# Altium PCB PCB四轴.PcbDoc
Units mil, origin at the board's own origin, x right, y up, seen from the top; angles counter-clockwise.
Board outline 2757.69 x 3039.64 mil, 2 copper layers (Top Layer, Bottom Layer); 82 components, 60 nets, 321 pads, 98 vias.
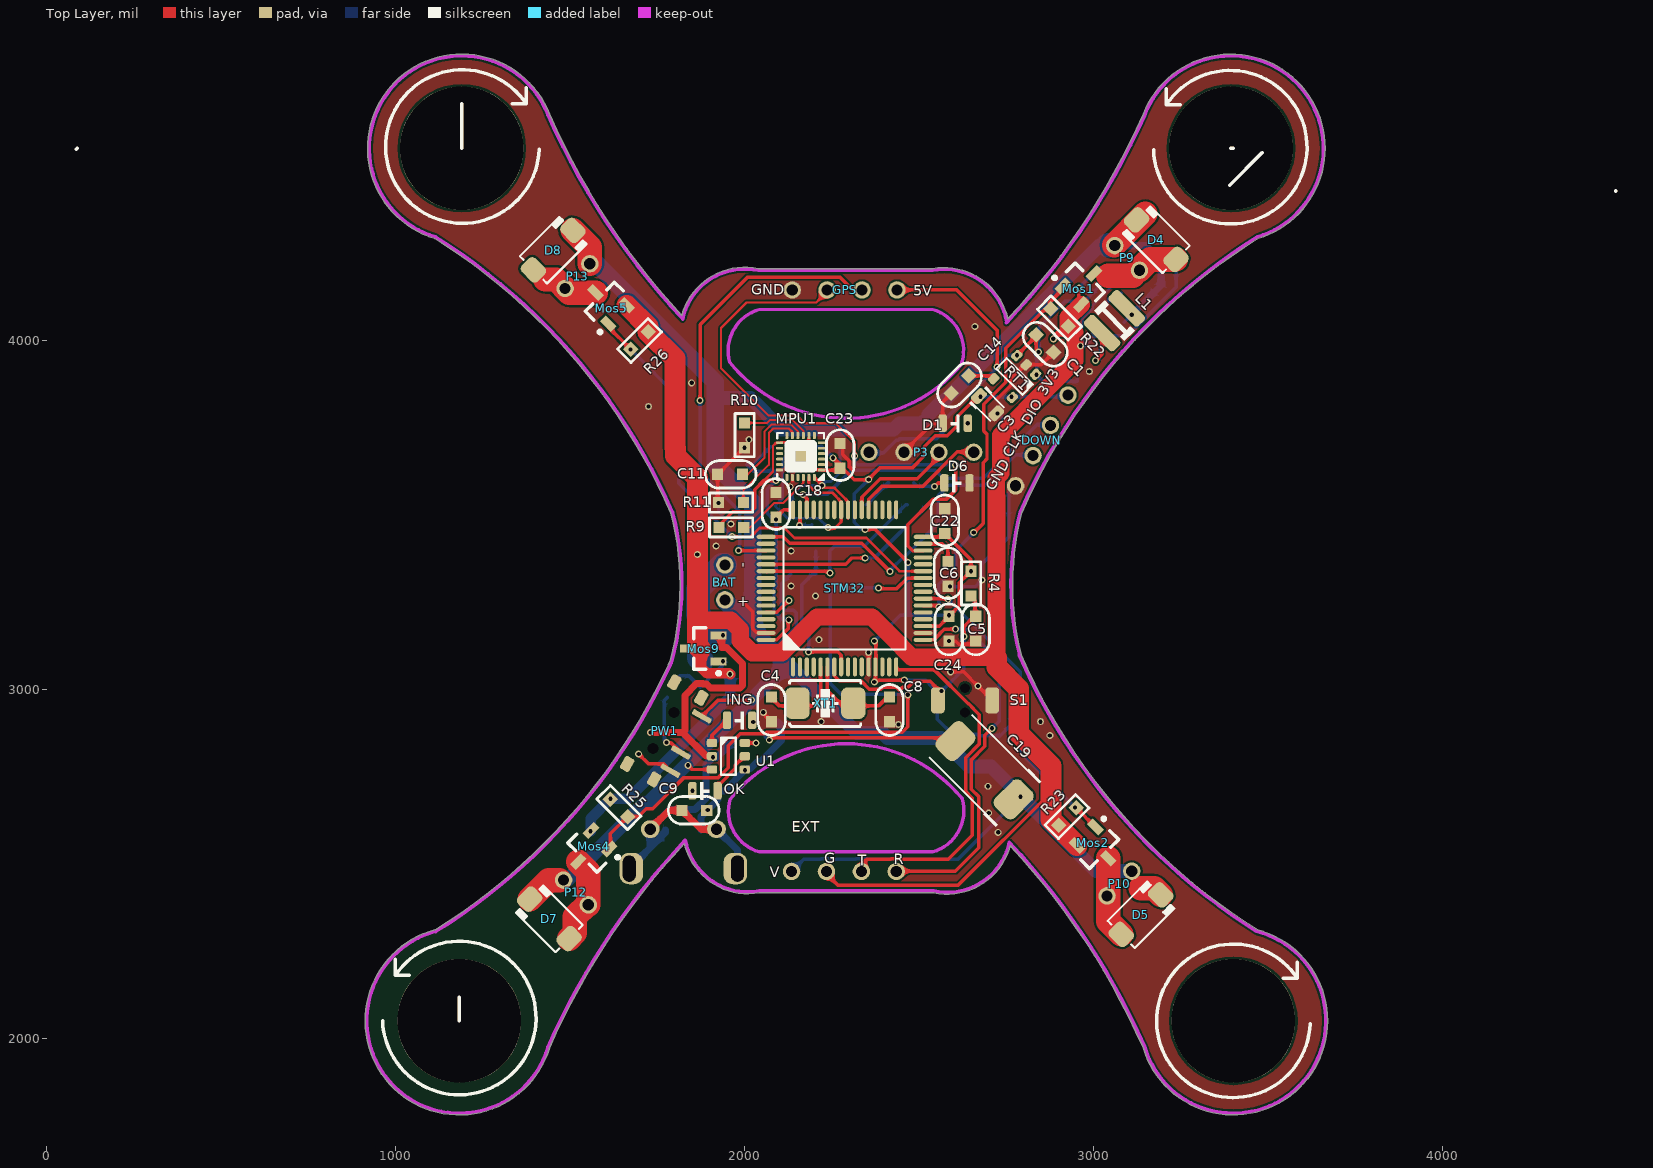
[diagram p0: Top Layer view]
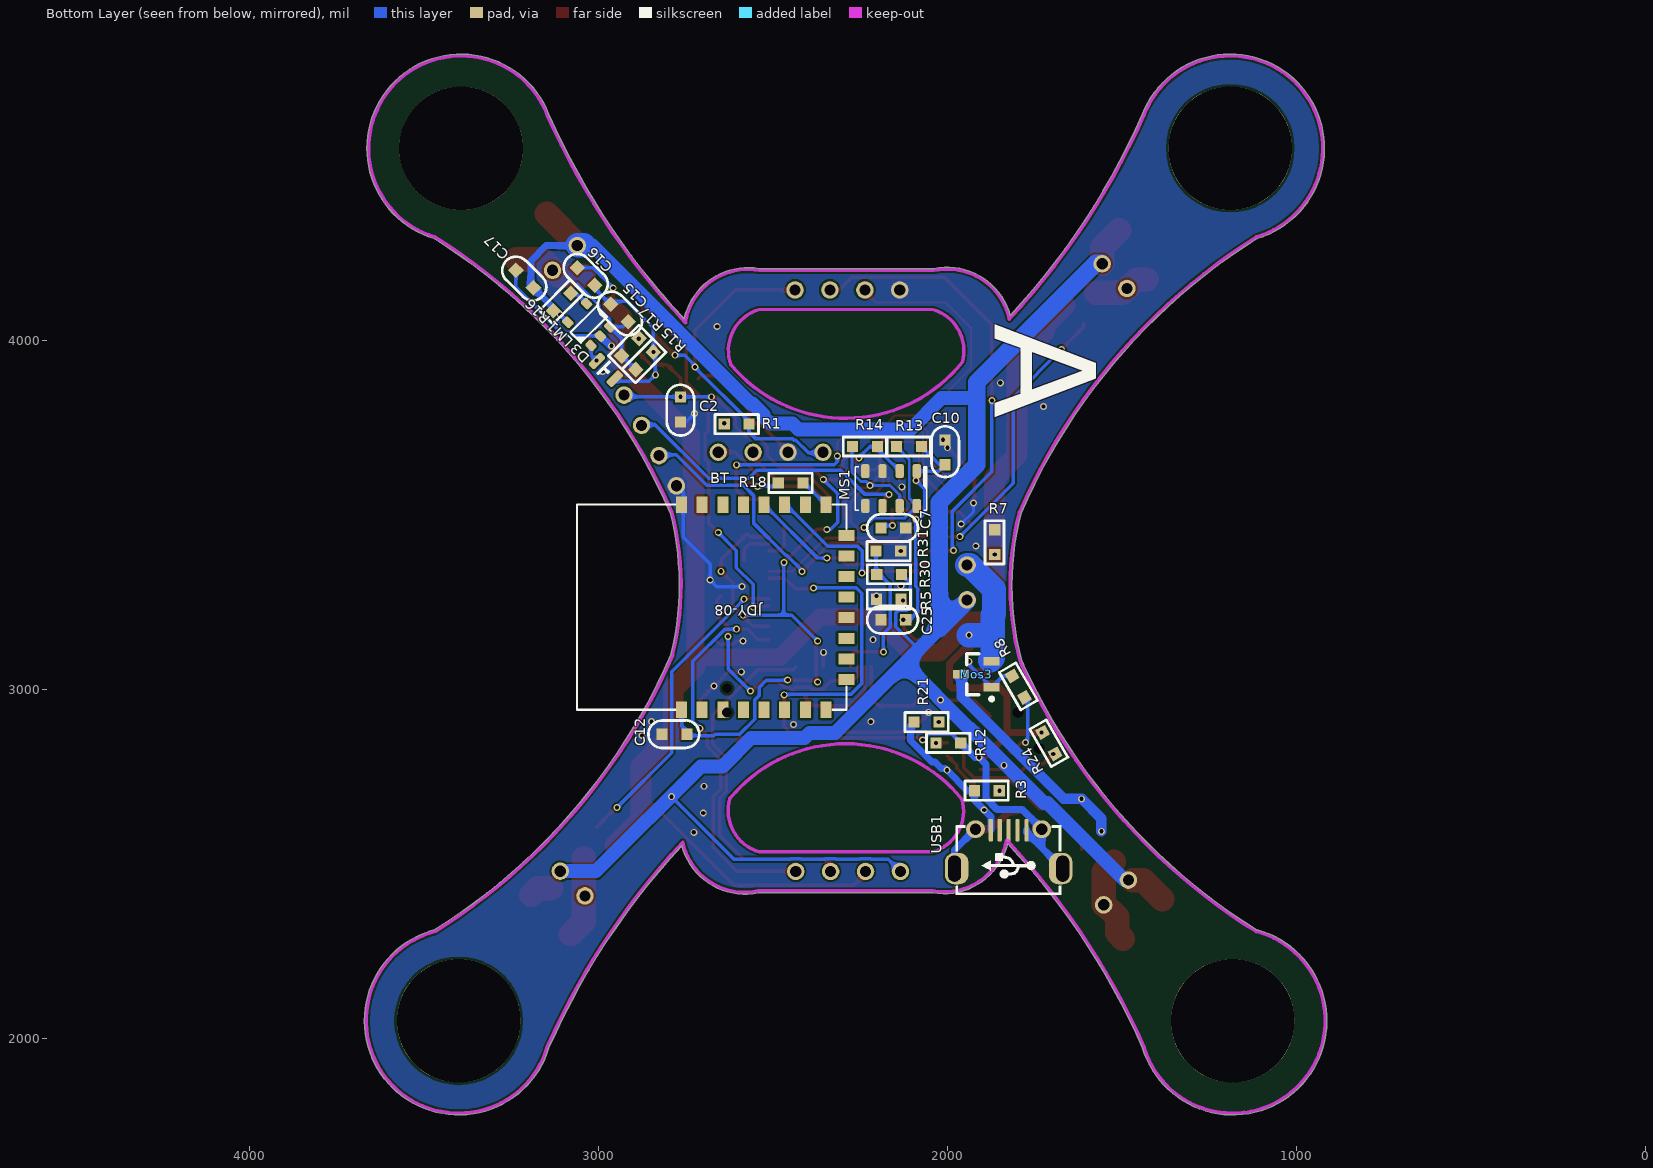
[diagram p1: Bottom Layer view, seen from below]
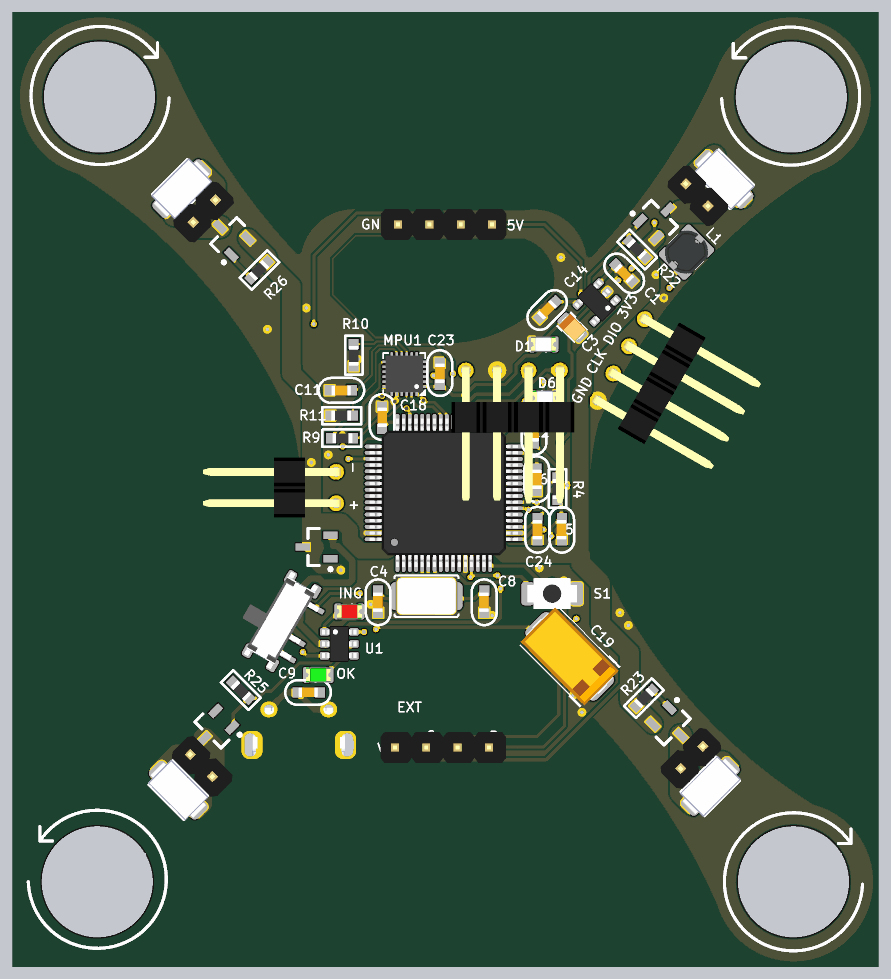
[diagram p2: 3D render of the assembled board from above, using the file's embedded part models]
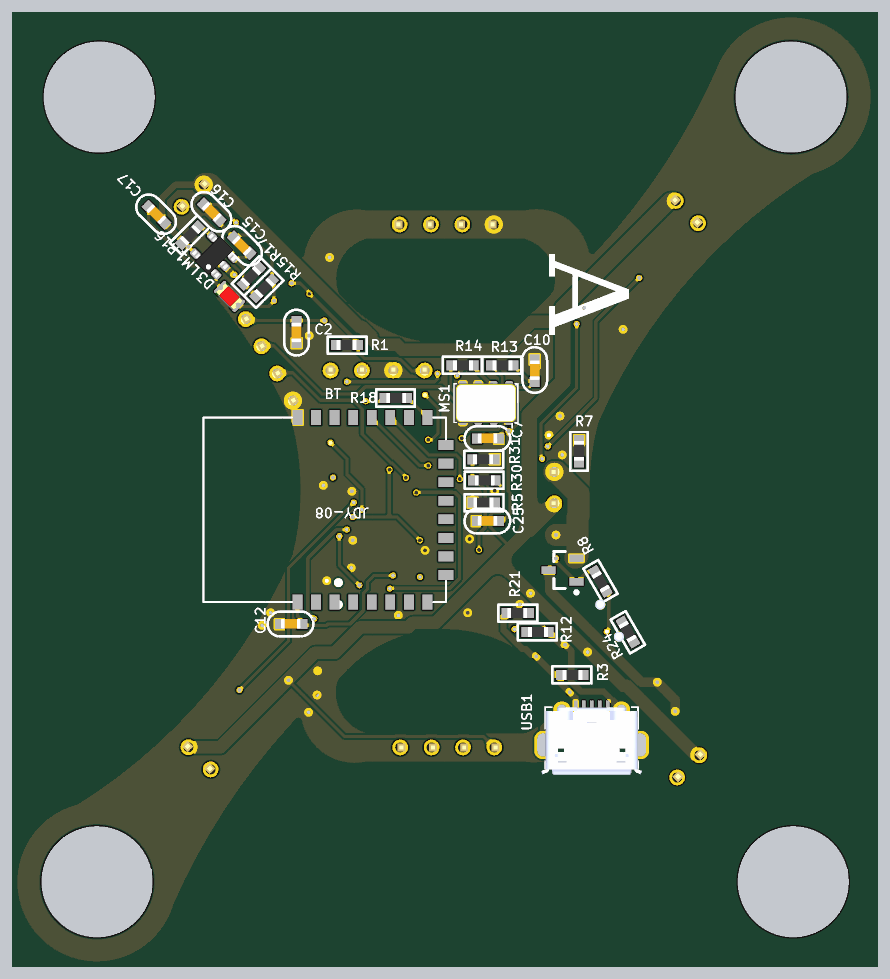
[diagram p3: 3D render of the assembled board from below, using the file's embedded part models]

## Layer stack, top to bottom
Top Solder: solder mask 0.4, Solder Resist, Dk 3.5
Top Layer: signal copper 1.4
Dielectric1: dielectric 12.6, FR-4, Dk 4.8
Bottom Layer: signal copper 1.4
Bottom Solder: solder mask 0.4, Solder Resist, Dk 3.5

## Board outline
1441.72,1975.27 cw(c1183,2052) 1113.28,2312.69 cw(c1114.58,2307.85) 1114.53,2312.86 ccw(c184,3804) 1782.3,3072.7 cw(c1787.28,3072.07) 1782.87,3074.47 ccw(c1715.91,3110.95) 1787.09,3083.59 ccw(c988.41,3299.53) 1815.77,3299.53 ccw(c988.41,3299.53) 1789.25,3507.3 ccw(c178,2805) 1112.92,4293.39 cw(c1190,4552) 1441.75,4649.2 ccw(c3352.61,5492.78) 1820.62,4072.91 cw(c2000.97,4024.22) 2039.53,4207.01 2539.55,4207.01 cw(c2572.47,4023.54) 2754.56,4063.44 ccw(c1231.39,5492.78) 3142.25,4649.2 cw(c3394,4552) 3663.86,4552 cw(c3394,4552) 3471.08,4293.39 ccw(c4406,2805) 2794.75,3507.31 ccw(c3595.97,3300.98) 2792.96,3101.74 cw(c2788.09,3100.53) 2793.1,3100.53 cw(c2788.09,3100.53) 2793.03,3099.71 ccw(c4404.58,3801.34) 3469.6,2312.99 cw(c3401,2052) 3670.86,2052 cw(c3401,2052) 3142.28,1975.27 ccw(c1231.5,1131.5) 2761.5,2553.52 cw(c2581.03,2601.78) 2542.47,2418.99 2042.45,2418.99 cw(c2009.53,2602.46) 1828.13,2559.55 ccw(c3352.5,1131.5)

## Design rules (kind name [scope] priority, off if disabled: settings)
Clearance [All] p1: gap=6 ignorepadtopadclearanceinfootprint=FALSE except(0: Arc-Hole Track-Hole SMDPad-Hole THPad-Hole Via-Hole Fill-Hole Poly-Hole Region-Hole Text-Hole)
PlaneConnect [All] p1: planeconnectstyle=Direct reliefexpansion=20 reliefentries=4 reliefconductorwidth=10 reliefairgap=10
PolygonConnect [All] p1: connectstyle=Direct reliefconductorwidth=10 reliefentries=4 polygonreliefangle="90 Angle" airgapwidth=10
RoutingVias [All] p1: holewidth=12 width=20 viastyle="Through Hole" minholewidth=12 minwidth=20 maxholewidth=100 maxwidth=50
SilkToSilkClearance [All] p1: silktosilkclearance=6
SilkToSolderMaskClearance [IsPad] p1: minsilkscreentomaskgap=6 clearancetoexposedcopper=TRUE
SolderMaskExpansion [All] p1: expansion=4
Width [All] p1: maxlimit=100 minlimit=6 preferedwidth=10 minimp=50.000000 maximp=50.000000 favimp=50.000000
27 further rules are at their usual default settings.

## Classes and differential pairs
component class PCB四轴: BAT C1 C2 C3 C4 C5 C6 C7 C8 C14 C15 C16 C17 C18 C22 C24 C25 CC1 D1 D3 DOWN L1 LM1 Mos3 Mos9 P3 PW1 R1 R4 R5 R7 R8 R13 R14 R15 R16 R17 R24 R30 R31 RT1 S1 STM32 XT1
component class PCB四轴接口: BT C9 C10 C11 C12 C19 C23 D4 D5 D6 D7 D8 EXT GPS ING Mos1 Mos2 Mos4 Mos5 MPU1 MS1 OK P9 P10 P12 P13 R3 R9 R10 R11 R12 R18 R21 R22 R23 R25 R26 U1 USB1

## Components (designator, comment, footprint, x,y, rotation, side; value= is the part's Value field where it differs from the comment)
BAT "HDR1x2_2.54" HDR1X2_2.54_90 1944,3258 r180 top
BT "JDY8-cc2541" JDY8 2509.84,3233.06 r0 bottom locked
C1 "Cap_0603" CAP_0603 2863,3991 r135 top value=1u
C2 "Cap_0603" CAP_0603 2764,3801 r90 bottom value=0.1u
C3 "Cap_Tan_0805" CAP_TAN_P0805 2696.75,3817.25 r315 top value=10u
C4 "Cap_0603" CAP_0603 2079,2942 r90 top value=20pf
C5 "Cap_0603" CAP_0603 2664,3173 r90 top value=0.1u
C6 "Cap_0603" CAP_0603 2582,3335 r270 top value=0.1u
C7 "Cap_0603" CAP_0603 2158,3463 r180 bottom value=0.1u
C8 "Cap_0603" CAP_0603 2417,2942 r90 top value=20pf
C9 "Cap_0603" CAP_0603 1854,2654 r0 top value=0.1u
C10 "Cap_0603" CAP_0603 2008,3683 r270 bottom value=0.1u
C11 "Cap_0603" CAP_0603 1961,3619 r180 top value=0.1u
C12 "Cap_0603" CAP_0603 2785,2872 r180 bottom value=0.1u
C14 "Cap_0603" CAP_0603 2616.84,3872.42 r45 top value=22n
C15 "Cap_0603" CAP_0603 2937.63,4079.04 r45 bottom value=220pf
C16 "Cap_0603" CAP_0603 3038,4186 r225 bottom value=4.7u
C17 "Cap_0603" CAP_0603 3214,4178 r225 bottom value=0.1u
C18 "Cap_0603" CAP_0603 2089,3533 r270 top value=0.1u
C19 "Cap_Tan_2917" CAP_TAN_D2917 2688,2770 r135 top value=?F
C22 "Cap_0603" CAP_0603 2573,3486 r270 top value=0.1u
C23 "Cap_0603" CAP_0603 2273,3673 r270 top value=0.1u
C24 "Cap_0603" CAP_0603 2587,3173 r90 top value=0.1u
C25 "Cap_0603" CAP_0603 2158,3200 r180 bottom value=0.1u
D1 "LED_0805" LED_0805_YELLOW 2604,3764 r180 top
D3 "Diode" LED_0805_RED 2979,3917 r225 bottom
D4 "Diode_SMA" DO-214AC 3180,4290 r135 top value=SS34
D5 "Diode_SMA" DO-214AC 3136,2356 r45 top value=SS34
D6 "LED_0805" LED_0805_YELLOW 2609,3593 r0 top
D7 "Diode_SMA" DO-214AC 1441,2344 r135 top value=SS34
D8 "Diode_SMA" DO-214AC 1452,4260 r45 top value=SS34
DOWN "HDR1x4_2.54" HDR1X4_2.54_90 2927,3844.6 r330 top
EXT "HDR1x4_2.54" HDR1x4_2.54_180 2135,2480 r90 top
GPS "HDR1x4_2.54" HDR1x4_2.54_180 2437,4146 r270 top
ING "LED_0805" LED_0805_RED 1986,2913 r180 top
L1 "Inductor" IND_CD32 3060,4058 r225 top value=10uH
LM1 "LM27313" SOT23-5 3028,4047 r45 bottom
Mos1 "MOSFET N" Nmos_SOT23 2970,4162 r45 top
Mos2 "MOSFET N" Nmos_SOT23 3010.87,2549.23 r315 top
Mos3 "MOSFET N" Nmos_SOT23 1918,3045 r0 bottom
Mos4 "MOSFET N" Nmos_SOT23 1555.13,2539.23 r225 top
Mos5 "MOSFET N" Nmos_SOT23 1605,4107 r135 top
Mos9 "MOSFET N" Nmos_SOT23 1881.71,3118.6 r180 top
MPU1 "MPU9250" QFN_P0.4_24 2161,3669.13 r180 top
MS1 "MS5611" OTHER_MS5611_8 2161.82,3577 r270 bottom
OK "LED_0805" LED_0805_GREEN 1887,2711 r0 top
P3 "HDR1x4_2.54" HDR1X4_2.54_90 2657,3681 r270 top locked
P9 "HDR1x2_2.54" HDR1X2_2.54_180 3061,4273 r45 top
P10 "HDR1x2_2.54" HDR1X2_2.54_180 3109.71,2480.71 r315 top
P12 "HDR1x2_2.54" HDR1X2_2.54_180 1482,2455 r45 top
P13 "HDR1x2_2.54" HDR1X2_2.54_180 1557,4221 r315 top
PW1 "SwitchSPDT_2.8x6.6_90" SwitchSPDT_2.8X6.6_90 1768,2884 r240 top
R1 "Res_0603" RES_0603 2606,3680 r0 bottom value=1K
R3 "Res_0603" RES_0603 1886,2793 r180 bottom value=1.6K
R4 "Res_0603" RES_0603 2731,3303 r270 top value=10K
R5 "Res_0603" RES_0603 2170,3178 r0 bottom value=10K
R7 "Res_0603" RES_0603 1947,3425 r90 bottom value=0R
R8 "Res_0603" RES_0603 1725.49,3048.96 r240 bottom value=10K
R9 "Res_0603" RES_0603 1964,3547 r0 top value=10K
R10 "Res_0603" RES_0603 2082,3728 r270 top value=10K
R11 "Res_0603" RES_0603 1960,3455 r180 top value=10K
R12 "Res_0603" RES_0603 1996,2930 r180 bottom value=1.6K
R13 "Res_0603" RES_0603 2109,3779 r180 bottom value=10K
R14 "Res_0603" RES_0603 2235,3779 r180 bottom value=10K
R15 "Res_0603" RES_0603 2925.82,4002.15 r135 bottom value=3K
R16 "Res_0603" RES_0603 3162.02,4170.94 r135 bottom value=10K
R17 "Res_0603" RES_0603 2852.18,3922.85 r315 bottom value=1K
R18 "Res_0603" RES_0603 2448,3675 r180 bottom value=1K
R21 "Res_0603" RES_0603 2062,2826 r0 bottom value=1.6K
R22 "Res_0603" RES_0603 2844.06,4009.98 r135 top value=10K
R23 "Res_0603" RES_0603 2868.18,2696.15 r45 top value=10K
R24 "Res_0603" RES_0603 1781.51,2808.04 r60 bottom value=10K
R25 "Res_0603" RES_0603 1699.15,2718.82 r315 top value=10K
R26 "Res_0603" RES_0603 1755.82,3941.85 r225 top value=10K
R30 "Res_0603" RES_0603 2166,3413 r180 bottom value=10K
R31 "Res_0603" RES_0603 2171,3316 r0 bottom value=10K
RT1 "RT9193" SOT23-5 2774,3898 r225 top
S1 "ButtonTACT_3x4x2_180" ButtonTACT_3x4x2_180H 2632,2970 r0 top
STM32 "STM32F4" LQFP_P0.5_64 2287,3291 r90 top
U1 "TP4059" SOT23-6 1954,2810 r0 top
USB1 "USB_Micro" USB_Micro-AB 1825,2498 r0 bottom
XT1 "XTAL_5032_2P" XT_5032_2 2232,2962 r180 top value=8M

## Footprints (in the part's own frame and the unit in brackets; to place one, negate y for a bottom-side part, rotate by r counter-clockwise, add the part's x,y. Pads: shape width x height; smd on the part's side, far side on the other; paste and mask are expansions set on the pad)
ButtonTACT_3x4x2_180H [mil]
  round 0 hole 28: 0(0,-35) 0(0,35)
  rrect50% 40x74 smd: 1(-78,0) 2(78,0)
  body extent -79,-49 79,49, height 63
CAP_0603 [mil]
  rect 32x32 smd: 1(-33,1) 2(38,1)
  silkscreen extent -72,-38 73,41, body extent -30,-14 33,18, height 31
CAP_TAN_D2917 [mil]
  rrect50% 80x106 smd: 1(-118,0) 2(118,0)
  silkscreen extent -138,-92 138,92, body extent -150,-78 150,78, height 122
CAP_TAN_P0805 [mil]
  rrect50% 30x44 smd: 1(-35,0) 2(35,0)
  silkscreen extent -40,-34 40,34, body extent -40,-27 40,27, height 59
DO-214AC [mil] "SMA"
  rrect50% 55x65 smd: 1(-80,0) 2(80,0)
  silkscreen extent -80,-55 80,55, body extent -98,-53 98,53, height 85
HDR1X2_2.54_90 [mil]
  round 50 hole 32: 1(0,0) 2(0,-100)
  body extent -15,-146 424,46, height 99
HDR1X2_2.54_180 [mil]
  round 50 hole 32: 1(0,0) 2(0,-100)
  body extent -49,-150 49,50, height 323
HDR1X4_2.54_90 [mil]
  round 50 hole 32: 1(0,0) 2(0,-100) 3(0,-200) 4(0,-300)
  body extent -15,-346 424,46, height 99
HDR1x4_2.54_180 [mil]
  round 50 hole 32: 1(0,0) 2(0,-100) 3(0,-200) 4(0,-300)
  body extent -49,-350 49,50, height 323
IND_CD32 [mil]
  rrect50% 40x120 smd: 1(-50,0) 2(50,0)
  silkscreen extent -20,-60 20,60, body extent -68,-59 68,59, height 83
JDY8 [mm]
  rect 0.8x1.2 smd: 1(6.405,7.367) 2(4.905,7.367) 3(3.405,7.367) 4(1.905,7.367) 5(0.405,7.367) 6(-1.095,7.367) 7(-2.595,7.367) 8(-4.095,7.367) 17(-4.095,-7.568) 18(-2.595,-7.568) 19(-1.095,-7.568) 20(0.405,-7.568) 21(1.905,-7.568) 22(3.405,-7.568) 23(4.905,-7.568) 24(6.405,-7.568)
  rect 1.2x0.8 smd: 9(-5.595,5.165) 10(-5.595,3.665) 11(-5.595,2.165) 12(-5.595,0.665) 13(-5.595,-0.835) 14(-5.595,-2.335) 15(-5.595,-3.835) 16(-5.595,-5.335)
  silkscreen extent -5.6,-7.57 14.02,7.37
LED_0805_GREEN [mil]
  rrect50% 24x50 smd: 1(-36,0) 2(36,0)
  silkscreen extent -12,-24 12,24, body extent -40,-25 40,25, height 43
LED_0805_RED [mil]
  rrect50% 24x50 smd: 1(-36,0) 2(36,0)
  silkscreen extent -11,-24 12,24, body extent -40,-25 40,25, height 43
LED_0805_YELLOW [mil]
  rrect50% 24x50 smd: 1(-36,0) 2(36,0)
  silkscreen extent -12,-24 12,24, body extent -40,-25 40,25, height 43
LQFP_P0.5_64 [mil]
  oval 54x12 smd: 1(-225,147.64) 2(-225,127.95) 3(-225,108.27) 4(-225,88.58) 5(-225,68.9) 6(-225,49.21) 7(-225,29.53) 8(-225,9.84) 9(-225,-9.84) 10(-225,-29.53) 11(-225,-49.21) 12(-225,-68.9) 13(-225,-88.58) 14(-225,-108.27) 15(-225,-127.95) 16(-225,-147.64) 33(225,-147.64) 34(225,-127.95) 35(225,-108.27) 36(225,-88.58) 37(225,-68.9) 38(225,-49.21) 39(225,-29.53) 40(225,-9.84) 41(225,9.84) 42(225,29.53) 43(225,49.21) 44(225,68.9) 45(225,88.58) 46(225,108.27) 47(225,127.95) 48(225,147.64)
  oval 12x54 smd: 17(-147.64,-225) 18(-127.95,-225) 19(-108.27,-225) 20(-88.58,-225) 21(-68.9,-225) 22(-49.21,-225) 23(-29.53,-225) 24(-9.84,-225) 25(9.84,-225) 26(29.53,-225) 27(49.21,-225) 28(68.9,-225) 29(88.58,-225) 30(108.27,-225) 31(127.95,-225) 32(147.64,-225) 49(147.64,225) 50(127.95,225) 51(108.27,225) 52(88.58,225) 53(68.9,225) 54(49.21,225) 55(29.53,225) 56(9.84,225) 57(-9.84,225) 58(-29.53,225) 59(-49.21,225) 60(-68.9,225) 61(-88.58,225) 62(-108.27,225) 63(-127.95,225) 64(-147.64,225)
  silkscreen extent -175,-175 175,175, body extent -236,-236 236,236, height 59
Nmos_SOT23 [mm]
  rect 1.15x0.6 smd: D(1.125,0) G(-1.125,0.95) S(-1.125,-0.95)
  silkscreen extent -1.25,-1.5 0.7,1.92, body extent -0.7,-1.5 0.7,1.5, height 1.14
OTHER_MS5611_8 [mil]
  rrect50% 40x24 smd: 1(-50,73.82) 2(-50,24.61) 3(-50,-24.61) 4(-50,-73.82) 5(50,-73.82) 6(50,-24.61) 7(50,24.61) 8(50,73.82)
  silkscreen extent -62,-102 62,102, body extent -63,-98 63,98, height 39
QFN_P0.4_24 [mil]
  rrect50% 20x8 smd: 1(-60,39.37) 2(-60,23.62) 3(-60,7.87) 4(-60,-7.87) 5(-60,-23.62) 6(-60,-39.37) 13(60,-39.37) 14(60,-23.62) 15(60,-7.87) 16(60,7.87) 17(60,23.62) 18(60,39.37)
  rrect50% 8x20 smd: 7(-39.37,-60) 8(-23.62,-60) 9(-7.87,-60) 10(7.87,-60) 11(23.62,-60) 12(39.37,-60) 19(39.37,60) 20(23.62,60) 21(7.87,60) 22(-7.87,60) 23(-23.62,60) 24(-39.37,60)
  rrect20% 45x45 smd: 25(0,0)
  silkscreen extent -67,-67 67,67, body extent -60,-60 60,60, height 39
RES_0603 [mil]
  rect 32x32 smd: 1(-37,-82) 2(34,-82)
  silkscreen extent -64,-109 60,-54, body extent -31,-98 31,-66, height 18
SOT23-5 [mil]
  rrect50% 30x24 smd: 1(-47,38) 2(-47,0) 3(-47,-38) 4(47,-38) 5(47,38)
  silkscreen extent -21,-53 21,53, body extent -55,-57 55,57, height 57
SOT23-6 [mil]
  rrect50% 30x24 smd: 1(-47,38) 2(-47,0) 3(-47,-38) 4(47,-38) 5(47,0) 6(47,38)
  silkscreen extent -21,-53 21,53, body extent -55,-57 55,57, height 57
SwitchSPDT_2.8X6.6_90 [mil]
  rrect50% 42x30 smd: 0(-135,47) 0(-135,-42) 0(135,-42) 0(135,47)
  round 10 hole 31.5: 0(-59.06,0) 0(59.06,0)
  rrect50% 16x60 smd: 1(90,75) 2(30,75) 3(-90,75)
  body extent -152,-111 151,86, height 55
USB_Micro-AB [mil]
  rrect80% 68x90 hole 37 slot 75 at 90 deg copper offset 6,0 mask+0: 0(-155,10)
  oval 54x50 hole 32 mask+0: 0(-95,-103) 0(95,-103)
  rrect80% 68x90 hole 37 slot 75 at 90 deg copper offset -6,0 mask+0: 0(155,10)
  rrect50% 12x64 smd: 1(51.18,-100) 2(25.59,-100) 3(0,-100) 4(-25.59,-100) 5(-51.18,-100)
  silkscreen extent -150,-112 150,86, body extent -161,-109 161,104, height 108
XT_5032_2 [mil]
  rrect50% 70x90 smd: 1(-80,0) 2(80,0)
  silkscreen extent -105,-69 105,69, body extent -98,-63 98,63, height 39

## Part data
BAT DOWN EXT GPS P3: "Header"
C1 C2 C3 C4 C5 C6 C7 C8 C9 C10 C11 C12 C14 C15 C16 C17 C18 C19 C22 C23 C24 C25: "Capacitor"
D1 D6 ING OK: "LED"
D4 D5 D7 D8: "Diode"
Mos1 Mos2 Mos3 Mos4 Mos5 Mos9: "MOS SOT23"
MS1: "Sensor"
P9 P10 P12 P13: library part HDR1x2_2.54T, "Header"
PW1: "Switch"
R1 R3 R4 R5 R7 R8 R9 R10 R11 R12 R13 R14 R15 R16 R17 R18 R21 R22 R23 R24 R25 R26 R30 R31: "Resistor"
RT1: "Power"
S1: "Button"
STM32: library part STM32F405R, "MCU"
USB1: "USB"
XT1: "Crystal Oscillator"
L1: Code_IEC=1005, Code_JEITA=0402, LatestRevisionDate=17-Jul-2002, LatestRevisionNote="Re-released for DXP Platform.", PackageReference=0402-A, Published=8-Jun-2000, Publisher="Altium Limited"

## Free pads (board coordinates)
  round 354.33 hole 354.33 unplated: 0(1183,2052) 0(1190,4552) 0(3394,4552) 0(3401,2052)

## Via types
v1: diameter 20, hole 12, Top Layer to Bottom Layer, 98 vias

## Nets (pads, with @x,y where several pads share a name; then routed paths per layer and width w, separated by ;. In a path a pad name is that pad's centre, name@x,y a point inside that pad or via, vN(x,y) a via of type N, cw(c..) or ccw(c..) an arc to the next point about the centre after c; other vN are vias at no path point)
3V3: BT.1 C2.2 C3.1 C10.2 C12.2 C18.2 C22.2 C23.2 C24.2 C25.2 DOWN.1 MPU1.1 MPU1.8 MPU1.13 MS1.1 MS1.2 R4.1 R9.1 R13.2 R14.2 RT1.5 STM32.13 STM32.19 STM32.32 STM32.48 STM32.64 | length 4363.5
  Top Layer w6: R9.1@1935,3473 1935,3478.7 R9.1@1935,3479.47 ; 2056,3600 2082,3626 2082,3699.3 2091.19,3708.5 MPU1.13 2102.63,3710.13 2175.43,3710.13 MPU1.8@2184.62,3719.32
  Top Layer w8: DOWN.1@2915.09,3839.9 DOWN.1@2922,3846.81
  Top Layer w10: R9.1@1935,3478.7 1966.3,3510 2017.56,3510 2030,3522.44 2030,3574 2056,3600 v1(2090,3600) ; STM32.64 2092.49,3143.36 2125.06,3175.94 2125.06,3199.06 v1(2127,3201) v1@2127,3202 ; v1(2090,3487.89) 2090,3493.78 2112.22,3516 STM32.48 ; MPU1.8@2184.62,3719.32 2184.62,3712.5 2194.5,3702.63 2194.5,3643.62 2207.62,3630.5 2220.25,3630.5 MPU1.1 2287.24,3629.76 2315,3602 v1@2355,3602 ; v1(2254,3665) 2274,3645 C23.2 ; v1(2346,3460) 2374,3460 v1(2469,3365) ; v1@2355,3603 2388,3636 2481,3636 2517,3672 2517,3698 2547,3728 2581.04,3728 2608,3754.96 2608,3781.04 2668.96,3842 C3.1 ; v1(2372,3023) v1@2375.58,3026.58 ; v1(2372,3140) 2376.9,3135.1 2376.9,3067.31 STM32.13 v1@2375.58,3026.58 ; v1(2458,3028) 2377,3028 v1@2375.58,3026.58 ; STM32.19 2557.73,3182.73 C24.2 2616,3241 2616,3307 v1(2649,3340) 2649,3373 2574.5,3447.5 2565.64,3438.64 STM32.32
  Bottom Layer w10: R13.2 2023,3645 C10.2 2025,3627 MS1.1 2088,3602 v1(2090,3600) 2065,3575 2065,3505.96 2083.07,3487.89 v1(2090,3487.89) 2090,3488.56 2091,3489.56 2091,3297.18 2085,3291.18 2085,3224 2107,3202 C25.2@2129,3202 ; MS1.2 2201,3690.79 R14.2 2223,3697 2254,3666 v1(2254,3665) ; v1(2346,3460) 2335,3460 2315,3480 2315,3562 v1(2356,3603) ; v1(2372,3140) 2446,3214 2470,3214 ; v1@2373,3023 v1@2376,3026 ; v1(2458,3028) 2519,3028 2539,3008 2539,2984.71 2552.53,2971.18 2552.53,2916.47 2596,2873 2665.91,2873 2669.91,2869 2733,2869 2762,2898 BT.1 ; v1(2469,3365) 2470,3364 2470,3214 ; v1(2586,3214) 2470,3214 ; v1(2676.1,3839.9) 2726.9,3839.9 ; v1(2765.64,3839.9) 2726.9,3839.9 ; DOWN.1@2922,3846.81 2915.19,3840 2727,3840 2726.9,3839.9
5V: C1.2 C15.2 C16.2 D3.2 GPS.1 P3.4 R1.1 R15.2 RT1.1 RT1.3 | length 1632.5
  Top Layer w10: GPS.1 2608,4146 2724,4030 v1(2724,3925) ; RT1.3 C1.2@2835.42,4013.16 ; C1.2 C1.2@2835.42,4013.16 ; v1(2843,3968) 2835.42,3975.58 C1.2@2835.42,4013.16
  Bottom Layer w10: P3.4 2359,3679 2398,3679 2434.48,3715.48 2440.57,3715.48 2444.09,3719 2549,3719 2569,3739 R1.1 2569,3770 v1(2724,3925) 2724,3930 2753,3959 v1(2781,3959) ; D3.2 2953.54,3884.37 2855.63,3884.37 v1(2837,3903) 2837,3962 v1(2843,3968) 2843,4038 2918,4113 2957.41,4113 C15.2 2965.79,4105.2 C16.2@3018.42,4157.84
ADC: R30.1 R31.2 STM32.8 | length 449.7
  Top Layer w10: v1(2183.77,3109) 2267,3109 2277.16,3098.84 STM32.8
  Bottom Layer w10: v1(2183.77,3109) 2183.77,3160.68 2164,3180.44 2164,3300.7 2194.3,3331 R30.1 2205,3333 R31.2
BGND: BAT.2 C9.1 C19.2 Mos3.S Mos9.S R12.2 R24.2 U1.2 USB1.0 USB1.5 | length 2706.3
  Top Layer w10: v1(2071.15,2856.85) 2077.07,2862.77 2595.23,2862.77 C19.2
  Top Layer w20: USB1.0@1730,2601 1784,2655 C9.1 1875,2601 USB1.0@1920,2601 ; v1(1731,2878) 1823,2878 ; U1.2 1891,2810 1823,2878 ; v1(1939,3156.8) 1934,3151.8 1934,3122 1949,3122 1995,3076 1995,3013 1987.11,3005.11 1903.11,3005.11 1890.84,3017.39 1881.82,3017.39 1881.21,3018 1863,3018 1829.28,2984.28 1829.28,2884.28 1823,2878
  Bottom Layer w10: R12.2 1989,2875 2053.56,2875 2060,2868.56 2060,2866.3 2069.45,2856.85 v1(2071.15,2856.85)
  Bottom Layer w20: USB1.0@1670,2488 1731,2549 ; USB1.5 1773.82,2591.82 1731,2549 ; USB1.0@1920,2601 1980,2541 USB1.0@1980,2488 ; R12.2 1921,2807 v1(1910,2807) 1890,2787 1890,2689 1859,2658 1787,2658 1730,2601 1730,2550 1731,2549
  Bottom Layer w70: Mos3.S@1877.42,3084.4 1870,3091.82 1870,3149 ; v1(1939,3156.8) 1877.8,3156.8 1870,3149 ; BAT.2 1936.52,3358 1867,3288.48 1867,3217 1870,3214 1870,3149
CE: STM32.15
CH1: Mos1.G R22.2 STM32.22 | length 1126.3
  Top Layer w10: STM32.22 2552.21,3241.79 v1(2557,3237) ; v1(2657,3451) 2658,3451 2684,3477 2684,3651 2695,3662 2695,3733 2686,3742 2686,3818.56 2749,3881.56 2749,3979 2859,4089 2874,4089 2874,4110 Mos1.G@2915.13,4151.13
  Bottom Layer w10: v1(2557,3237) 2557,3302.37 2605,3350.37 2605,3399 v1(2657,3451)
CH2: Mos2.G R23.2 STM32.23 | length 898
  Top Layer w10: STM32.23 2581.53,3261.47 v1(2583,3260) ; R23.2 3005.41,2607 Mos2.G
  Bottom Layer w10: v1(2583,3260) 2790.47,3052.53 2790.47,2819.53 v1(2947,2663)
CH3: Mos4.G R25.2 STM32.26 | length 1932.5
  Top Layer w10: Mos4.G@1616,2544.11 1616,2587.59 R25.2 1696.09,2636.8 1718.52,2659.23 1736.91,2659.23 1826.69,2749 1925,2749 1953.5,2777.5 1953.5,2839.54 1987.96,2874 2058.6,2874 2063.37,2878.77 2451.77,2878.77 2468,2895 v1(2468,2986) ; v1(2384,3292) 2385.5,3290.5 2436.5,3290.5 2466.53,3320.53 STM32.26
  Bottom Layer w10: v1(2384,3292) 2383,3293 2270,3293 2269.67,3292.67 2261.38,3292.67 2246,3277.29 2246,3018.33 2277.33,2987 2469,2987 v1(2468,2986)
CH4: Mos5.G R26.2 STM32.27 | length 1366
  Top Layer w8: v1(1965,3439) 2018.14,3439 2043.14,3464 2114.28,3464 2143.28,3435 2349.5,3435 2444.28,3340.21 STM32.27
  Top Layer w10: Mos5.G 1609.87,4039.72 v1(1673.8,3975.8)
  Bottom Layer w10: v1(1673.8,3975.8) 1812,3837.59 1812,3592 v1(1965,3439)
CONNECTED: BT.6
CSN: STM32.21
GND: BT.24 C1.1 C2.1 C3.2 C4.1 C5.1 C6.2 C7.2 C8.1 C10.1 C11.2 C12.1 C14.1 C18.1 C22.1 C23.1 C24.1 C25.1 D1.2 D6.2 DOWN.4 GPS.4 MPU1.18 MPU1.20 MS1.3 MS1.4 MS1.5 P3.3 R5.2 R7.2 R10.2 R11.2 R31.1 RT1.2 S1.2 STM32.12 STM32.18 STM32.63 | length 1735.8
  Top Layer w8: 2137.38,3597.9 MPU1.20
  Top Layer w10: R11.2 1923,3540 C11.2 1924,3618 v1(2000,3694) ; 2004,3244 2024,3224 2024,3175.69 2033.96,3165.73 2059.32,3165.73 STM32.63 ; v1@2049,2938 C4.1 ; 2282,3687 2282,3674.56 2301,3655.56 2301,3638.63 2307.31,3632.31 ; STM32.12 v1(2355.9,3107.9) ; P3.3@2457,3682 2539,3764 D1.2 2568,3825 C14.1 ; C6.2 C6.2@2592,3297 ; v1(2586,3140) 2605,3140 2614,3131 2654,3131 C5.1 ; v1(2591,3052) 2628,3052 v1(2669,3011) S1.2 ; v1(2680,3315) v1@2682,3317 ; 2722.63,3832.56 2765,3874.93 2765,3893 2803,3931 RT1.2@2819,3931 ; RT1.2 2807.23,3931.97 2850.64,3931.97 C1.1
  Bottom Layer w8: v1(1926,3536) 1926,3510 v1(1961,3475)
  Bottom Layer w10: v1(2589,3296) 2661,3296 v1(2680,3315) 2680,3359.3 2682,3361.3 2682,3363 2756.72,3437.72 2756.72,3564.52 DOWN.4 ; v1(2725,3792) 2749,3768 C2.1
  other v1: 2727,2592 2700,2647 2698,2724 2875,2869 2441,2901 2220,2909 2848,2909 2054,2936 2214,3144 2204,3269 2134,3298 2134,3398 1919,3412 2131,3582 2013,3717 1725,3812 1849,3880 2988,3912 2660,4041
GPS_RX: GPS.3 STM32.30 | length 1673.1
  Top Layer w6: GPS.3@2260,4146 2242,4146 2206,4110 2006,4110 1933,4037 1933,3922.13 2068.56,3786.57 2150.57,3786.57 2173.01,3764.14 2261.86,3764.14 2316,3710 v1(2316,3670.25)
  Top Layer w10: STM32.30 2481.73,3399.27 2468,3413 2468,3473.22 2541.78,3547 2579,3547 2605,3573 v1(2605,3645)
  Bottom Layer w10: v1@2309.75,3670.25 v1(2316,3670.25) 2316,3654 2325,3645 v1(2605,3645)
GPS_TX: GPS.2 STM32.51 | length 1283.4
  Top Layer w10: v1(1873,3829) 1873,4047 2009,4183 2273,4183 2310,4146 ; v1(1983,3399.27) STM32.51
  Bottom Layer w10: v1(1873,3829) 1873,3625 1986,3512 1986,3402.27 v1(1983,3399.27)
IRQ: STM32.28
JDY_RX: BT.20 STM32.53 | length 534.7
  Top Layer w10: STM32.53 2289.9,3359.9 2308,3378 v1(2346,3378)
  Bottom Layer w10: v1(2346,3378) 2372.78,3378 BT.20
JDY_TX: BT.19 STM32.54 | length 531.5
  Top Layer w10: STM32.54@2063.79,3338.43 STM32.54 2239.79,3340.21 v1(2245,3335) v1@2245,3338.43
  Bottom Layer w10: v1(2245,3335) 2245,3399 2258.2,3412.2 2343.8,3412.2 2462.6,3531 BT.19
MISO: STM32.10
MOSI: STM32.11
NetBT_17: BT.17 R18.2 | length 91.1
  Bottom Layer w10: BT.17 2410.61,3593 R18.2
NetC6_1: C6.1 STM32.31 | length 113.3
  Top Layer w10: STM32.31 2512.95,3418 2548.3,3418 2549.3,3419 2566.7,3419 2583,3402.7 C6.1
NetC7_1: C7.1 STM32.47 | length 81.3
  Top Layer w10: v1(2158,3471) 2159.05,3472.05 STM32.47
  Bottom Layer w10: v1(2158,3471) 2191,3471 C7.1@2193,3473
NetC11_1: C11.1 MPU1.10 | length 282.4
  Top Layer w6: C11.1 2010,3618 2058,3666 2058,3741 2078,3761 2133,3761 2153.13,3740.87 MPU1.10
NetC14_2: C14.2 RT1.4 | length 74.4
  Top Layer w10: C14.2 2705.53,3900 RT1.4
NetC15_1: C15.1 LM1.3 R15.1 R17.2 | length 375.2
  Bottom Layer w8: LM1.3 2967.9,4063.26 2997.83,4093.2 2997.83,4101.68 3060.63,4164.48
  Bottom Layer w10: R15.1 2932.8,3956.8 R17.2 2934.2,4006.94 LM1.3 2929.36,4040.64 C15.1
NetD1_1: D1.1 R1.2
  other v1: 2640,3764
NetD3_1: D3.1 L1.2 LM1.1 | length 137.9
  Top Layer w10: v1(3006,3944) 3024.64,3962.64 L1.2
  Bottom Layer w10: D3.1 v1(3006,3944) 3021.64,3959.64 LM1.1
NetD4_1: D4.1 Mos1.D P9.2 | length 242
  Top Layer w70: 3042.32,4187.32 3113.32,4187.32 3151,4225 ; P9.2 3162.85,4233.43 D4.1
NetD5_1: D5.1 Mos2.D P10.2 | length 233.6
  Top Layer w70: Mos2.D 3042.19,2337.67 D5.1@3079.93,2299.93
NetD6_1: D6.1 R18.1 | length 96.3
  Top Layer w10: v1(2545,3583) 2555,3593 D6.1
  Bottom Layer w10: R18.1 2495,3583 v1(2545,3583)
NetD7_1: D7.1 Mos4.D P12.2 | length 256.6
  Top Layer w70: D7.1 1514,2303.86 1514,2350 P12.2@1550.5,2386.5 ; Mos4.D 1552.71,2479.01 P12.2
NetD8_1: D8.1 Mos5.D P13.2 | length 159.4
  Top Layer w70: 1429.86,4176 1460,4176 1497.68,4138.32 Mos5.D
NetING_1: ING.1 R21.1
  other v1: 2025,2908
NetING_2: ING.2 U1.1 | length 82.8
  Top Layer w10: U1.1 1907,2870 ING.2
NetLM1_4: LM1.4 R16.2 | length 58
  Bottom Layer w10: LM1.4 3064.26,4137 R16.2
NetMos3_G: Mos3.G Mos9.G R8.1 | length 182.5
  Bottom Layer w10: R8.1 1841.31,3040 Mos3.G 1946.11,3080 1944.11,3082 v1(1939,3082)
NetMPU1_9: MPU1.9 R10.1 | length 198
  Top Layer w6: R10.1 2065.03,3765 2073.03,3773 2137.97,3773 2168.87,3742.1 MPU1.9
NetMPU1_11: MPU1.11 R11.1 | length 316
  Top Layer w6: R11.1 1997,3572 2070,3645 2070,3736.03 2082.97,3749 2127.31,3749 2137.38,3738.93 MPU1.11
NetMPU1_22: MPU1.22 R9.2 | length 240.1
  Top Layer w6: R9.2 2015,3465 2086,3536 2112,3536 2168.87,3592.87 MPU1.22
NetOK_1: OK.1 R3.2
  other v1: 1851,2711
NetPW1_1: PW1.1 R24.1 | length 110.6
  Top Layer w10: v1(1697,2816) 1725,2788 1768.51,2788 PW1.1
NetR5_1: R5.1 STM32.60 | length 81.5
  Top Layer w10: STM32.60 2093.1,3222.1 2128,3257 v1(2128,3256)
NetR12_1: R12.1 U1.6 | length 32
  Top Layer w10: U1.6 v1(2033,2848)
NRST: C5.2 R4.2 S1.1 STM32.7 | length 693.5
  Top Layer w10: STM32.7 2257.47,3040.64 2272.06,3026.06 2333.94,3026.06 2358,3002 2390.44,3002 2395.44,3007 2436.56,3007 2442.56,3001 2447,3001 2453,3007 2468,3007 2486,3025 2532,3025 2561,2996 2565,2996 v1(2565,2997) ; v1(2629,3153) 2629,3181 2661,3213 2661,3257 R4.2
  Bottom Layer w10: v1(2565,2997) 2599,3031 2599.7,3031 2612,3043.3 2612,3044 2629,3061 v1(2629,3153)
OSC1: C4.2 STM32.5 XT1.2 | length 248.9
  Top Layer w10: C4.2@2078,2976 2100,2954 2197,2954 2218.1,2975.1 STM32.5
OSC2: C8.2 STM32.6 XT1.1 | length 270
  Top Layer w10: STM32.6 2237.79,2998.21 2282,2954 2384,2954 C8.2@2408.5,2978.5 ; XT1.1@2323,2941 XT1.1@2323,2944
PGND: C16.1 C17.1 EXT.2 LM1.2 Mos1.S Mos2.S Mos3.D Mos4.S Mos5.S Mos9.D R7.1 R17.1 R22.1 R23.1 R25.1 R26.1 | length 5566
  Top Layer w10: EXT.2@2247,2461 2267,2441 2612.98,2441 2872.98,2701 2879,2701 ; v1(2958,4152) 2958,4111.36 Mos1.S
  Top Layer w20: v1(2885,4006) 2901.8,4022.8 2947.2,4022.8
  Top Layer w30: 1874.71,3117 1874.71,3065.29 1891,3049 1894.05,3049 1894.66,3048.39 1955.62,3048.39 v1(1959,3045)
  Top Layer w50: 1866,3191 1874.62,3199.61 1960.67,3199.61 1988,3172.29 1988,3140.98 2022.62,3106.36 2106.4,3106.36 2209.04,3209 2364.98,3209 2420,3153.98 ; 2420,3153.96 2479.96,3094 2556.16,3094 2557.16,3093 2722,3093 2723,3092 ; 2723,3547 2723,3551.3 2721,3553.3 2721,3607.99 2734,3620.99 2734,3730 2871,3867 2871,3867.8 2947.2,3944 2947.2,4022.8 R22.1 2928.2,4067.31 Mos1.S
  Top Layer w60: Mos5.S 1724,4040.89 R26.1 1801.01,3948.99 1801.01,3693.93 1801.97,3692.97 1801.97,3671.03 1866,3607 1866,3191 1866,3125.71 1874.71,3117 ; 2723,3092 2723,3066.21 2786,3003.21 2786,2875 2879,2782 2879,2701 2879,2628.21 Mos2.S
  Bottom Layer w10: v1(2958,4152) 3016.04,4210.04 C16.1 ; LM1.2 2994.77,4014.5 3097.5,4014.5 3236.63,4153.63 C17.1
  Bottom Layer w20: v1(2963,3986) 2967,3986 LM1.2
  Bottom Layer w30: v1(1559,2595) 1559,2631 v1(1616,2688) 1667,2688 1959,2980 v1(1959,3045)
  other v1: 1865,3388
RXD: EXT.4 STM32.17 | length 1108.9
  Top Layer w10: EXT.4@2435,2481 2604,2481 2671,2548 2671,2694.63 2650,2715.63 2650,2799.37 2689.04,2838.41 2689.04,2870.04 v1(2709,2890) ; STM32.17 2543.36,3143.36 2559,3159 2559,3160.56 2572.44,3174 v1(2605,3174)
  Bottom Layer w10: v1(2605,3174) 2637.7,3174 2729.69,3082.01 2729.69,2910.69 v1(2709,2890)
SCL: MPU1.23 MS1.8 R13.1 STM32.41 | length 611.9
  Top Layer w8: MPU1.23 2184.62,3585.38 2205,3565 2252.1,3565 2277.16,3539.94 STM32.41 2277.16,3481.16 2258,3462 2242,3462 v1(2239,3465)
  Bottom Layer w8: R13.1 2110,3661 2110,3549 MS1.8 2123,3492 2212,3492 v1(2239,3465)
SCLK: STM32.29
SDA: MPU1.24 MS1.7 R14.1 STM32.40 | length 443.8
  Top Layer w8: MPU1.24 2230.5,3579 2257.9,3579 2296.84,3540.06 STM32.40 STM32.40@2296.84,3491.16
  Bottom Layer w8: MS1.7 2137.21,3558.21 2165,3586 v1(2222,3586) 2233,3597 2248.27,3597 2274,3622.73 2274,3695 R14.1
STDBY: OK.2 U1.5 | length 136.4
  Top Layer w10: OK.2 1923,2732 1924,2733 1931.63,2733 1974,2775.37 1974,2784.04 1999.96,2810 U1.5
SWCLK: DOWN.3 STM32.49 | length 987.9
  Top Layer w10: STM32.49 2111.36,3438.64 2130,3420 2336.21,3420 v1(2417,3339.21)
  Bottom Layer w10: v1(2417,3339.21) 2417,3342.7 2460.3,3386 2463.79,3386 2556,3478.21 2556,3557.09 2584.91,3586 2690,3586 2777.6,3673.6 DOWN.3@2822,3673.6
SWDIO: DOWN.2 STM32.46 | length 858.8
  Top Layer w10: v1(2168,3560) 2178.73,3549.27 STM32.46 STM32.46@2179,3515.73
  Bottom Layer w10: v1@2168,3564 v1(2168,3560) 2236.7,3560 2305.7,3629 2546.7,3629 2569.7,3606 2684,3606 2838.2,3760.2 DOWN.2@2872,3760.2
TXD: EXT.3 STM32.16 | length 1043.9
  Top Layer w10: EXT.3@2317,2481 2351,2515 2419.09,2515 2420.09,2516 2449.91,2516 2450.91,2515 2584,2515 2653,2584 2653,2690 2634,2709 2634,2806 2673.04,2845.04 2673.04,2928.61 2657,2944.64 2657,2945.36 2642.36,2960 2641.64,2960 2544.64,3057 2542.25,3057 2541.25,3058 2442.64,3058 STM32.16
U6_RX: P3.2 STM32.38 | length 319.5
  Top Layer w10: STM32.38 2336.21,3552.21 2389,3605 2495,3605 2557,3667 P3.2 P3.2@2557,3682
U6_TX: P3.1 STM32.37 | length 387.4
  Top Layer w10: STM32.37 2355.9,3545.9 2393,3583 2511,3583 2610,3682 P3.1@2657,3682
VBAT: BAT.1 C17.2 C19.1 D4.2 D5.2 D7.2 D8.2 EXT.1 L1.1 LM1.5 P9.1 P10.1 P12.1 P13.1 PW1.3 R16.1 R30.2 U1.3 | length 7097.6
  Top Layer w10: v1(1838,2784) 1850,2772 U1.3 ; PW1.3 1924.51,2971 v1(2020,2971)
  Top Layer w70: D7.2 1438.86,2455 P12.1@1469.24,2455 ; D8.2 1557,4268.14 P13.1 ; P9.1@3059.29,4274.71 D4.2@3148.43,4363.85 ; 3135.29,2432 3174.14,2432 D5.2@3193.07,2413.07
  Bottom Layer w10: 2093.06,3126.5 2148,3181.44 2148,3220.56 2140.56,3228 2117.44,3228 2106,3239.44 2106,3289.56 2107,3290.56 2107,3306 R30.2 ; EXT.1 2170,2515 2219.09,2515 2220.09,2516 2249.91,2516 2250.91,2515 2319.09,2515 2320.09,2516 2349.91,2516 2350.91,2515 2419.09,2515 2420.09,2516 2449.91,2516 2450.91,2515 2612,2515 v1(2791,2694) ; LM1.5 v1(3109.74,4075) R16.1@3121.54,4086.8
  Bottom Layer w20: P9.1 3150,4273 3194,4229 3194,4159.26 R16.1@3121.54,4086.8
  Bottom Layer w40: P12.1@1479.79,2457.21 1494.45,2457.21 1713.51,2676.27 1724.27,2676.27 1920,2872 1920,2874.77 1935.23,2890 1938,2890 2123.5,3075.5 ; 1917,3836 2017.2,3836 2106.72,3746.48 2427.73,3746.48 2444.25,3763 2507.91,3763 2527,3782.09 2527,3788.77 2558.28,3820.05 2564.95,3820.05 3017.91,4273 P9.1 ; 2024,3175 2123.5,3075.5 ; P10.1 3007.29,2480.71 2707,2781 2644.16,2781 2562.83,2862.33 2409.99,2862.33 2395.74,2876.58 2322.42,2876.58 2123.5,3075.5
  Bottom Layer w50: P13.1@1558.5,4222.5 1575.5,4222.5 1917,3881 1917,3836 1917,3645 2024,3538 2024,3175 1944,3255 BAT.1
  Bottom Layer w70: P9.1@3042.71,4274.71 P9.1@3059.29,4274.71
VIN: PW1.2 R8.2 | length 188.4
  Top Layer w10: v1(1777,2849) 1789.47,2849 PW1.2
  Bottom Layer w10: v1(1777,2849) 1770.78,2855.22 1770.78,2969.79 R8.2
VUSB: C9.2 R3.1 R21.2 U1.4 USB1.1 | length 432.2
  Bottom Layer w20: USB1.1 1876.18,2637.18 v1(1895,2656) 1923,2684 R3.1 1943,2711 v1(2002,2770) 2006.63,2774.63 2017.49,2774.63 2036.5,2793.64 2044.71,2793.64 2106,2854.93 2106,2898 R21.2
pads on no net: BT.2 BT.3 BT.4 BT.5 BT.7 BT.8 BT.9 BT.10 BT.11 BT.12 BT.13 BT.14 BT.15 BT.16 BT.18 BT.21 BT.22 BT.23 MPU1.2 MPU1.3 MPU1.4 MPU1.5 MPU1.6 MPU1.7 MPU1.12 MPU1.14 MPU1.15 MPU1.16 MPU1.17 MPU1.19 MPU1.21 MPU1.25 MS1.6 PW1.0 S1.0 STM32.1 STM32.2 STM32.3 STM32.4 STM32.9 STM32.14 STM32.20 STM32.24 STM32.25 STM32.33 STM32.34 STM32.35 STM32.36 STM32.39 STM32.42 STM32.43 STM32.44 STM32.45 STM32.50 STM32.52 STM32.55 STM32.56 STM32.57 STM32.58 STM32.59 STM32.61 STM32.62 USB1.2 USB1.3 USB1.4

## Polygon pours and split planes (outlines as drawn)
GND on Bottom Layer "Top Layer-No Net" (solid, remove dead copper, pour order 0): 668,4877 737,4946 4535,4946 4535,1434 4432,1331 4329,1434 525,1434
GND on Top Layer "Top Layer-No Net" (solid, remove dead copper, pour order 2): 720,4832 4352,4832 4209,4689 4209,1474 657,1474 651,1468

## Keep-outs
Keep-Out Layer:
  lines w10: 1114.58,2307.85 ccw(c1183,2052) 1437,1977 cw(c3352.5,1131.5) 1831.07,2569.99 ccw(c2009.53,2602.46) 2042,2424 2543,2424 ccw(c2581.03,2601.78) 2758.8,2563.75 cw(c1231.5,1131.5) 3147,1977 ccw(c3401,2052) 3467.58,2308.34 cw(c4404.58,3801.34) 2787.35,3100.21 ; 1114.96,2307.23 ccw(c184,3804) 1787.47,3071.96 ; 1787.28,3072.07 ccw(c1715.91,3110.95) 1791.86,3082.04 ccw(c988.41,3299.53) 1794.01,3508.95 ccw(c178,2805) 1115,4298 cw(c1190,4552) 1437.11,4647.28 ccw(c3352.61,5492.78) 1821.7,4064.38 ; 1823.2,4062.25 cw(c2000.97,4024.22) 2039,4202 2540,4202 cw(c2572.47,4023.54) 2750.93,4056.01 ; 1957.57,3938.28 cw(c2076.15,3971.44) 2042.98,4090.02 2540.01,4090.02 cw(c2505.8,3972.86) 2620.6,3931.42 ; 1957.87,3938.52 ccw(c2292,4207.26) 2620.42,3931.57 ; 2750.72,4052.06 ccw(c1231.39,5492.78) 3146.89,4647.28 cw(c3394,4552) 3469,4298 ccw(c4406,2805) 2789.99,3508.95 ccw(c3595.97,3300.98) 2788.09,3100.53 ; 1959.04,2687.34 cw(c2291.89,2417.02) 2624.43,2687.72 cw(c2505.85,2654.56) 2539.02,2535.98 2041.99,2535.98 cw(c2076.2,2653.14) 1959.04,2687.34

## Other copper
Top Layer:
  rectangle net PGND: 2696,3056 2748,3560

## Silkscreen, mask and mechanical layers (free items; w line width, h text height)
Top Overlay:
  lines w10: 85,4549 88,4552 ; 963.14,2052.08 ccw(c1183,2060) 999.95,2182.03 1039.97,2182.03 ; 1000,2182.03 1000,2228 ; 1183,2052 1183,2119 ; 1190,4552 1190,4680 ; 1335.03,4679.03 1375.05,4679.03 ccw(c1192,4557) 1411.86,4549.08 ; 1375,4679.03 1375,4725 ; 3172.14,4547.08 ccw(c3392,4555) 3208.95,4677.03 3248.97,4677.03 ; 3209,4677.03 3209,4723 ; 3390,4446 3483,4539 ; 3394,4552 3400,4552 ; 3544.03,2174.03 3584.05,2174.03 ccw(c3401,2052) 3620.86,2044.08 ; 3584,2174.03 3584,2220 ; 4496,4430 4497,4429
  text "GND" at 2020,4132 h30
  text "5V" at 2484,4129 h30
  text "3V3" at 2863,3840 h30 r60
  text "DIO" at 2817,3756 h30 r60
  text "CLK" at 2763,3663 h30 r60
  text "GND" at 2715,3568 h30 r60
  text "-" at 2008,3350 h30 r90
  text "+" at 1979,3240 h30
  text "G" at 2228,2503 h30
  text "R" at 2428,2501 h30
  text "T" at 2324,2497 h30
  text "V" at 2072,2463 h30
Bottom Overlay:
  text "A" at 1961,4050 h500 r90
Mechanical 13:
  lines w10: 79,2175 2285,2175 ; 80,1929 80,2174 ; 80,2052 2284,2052 ; 85,4674 85,4429 2291,4429 4497,4429 ; 88,4552 2292,4552 4496,4552 ; 893,3297 3400,3297 ; 1067,2067 3271,2067 ; 2294,2175 4500,2175 ; 3256.99,3049 3256.99,3454.95 ; 3400,2052 3400,4552 ; 3747,4068 4354.14,4068 ; 4496,4430 4496,4675 ; 4499,1929 4499,2174

## Text inside footprints (layer, text, board x,y; h text height)
BT: Bottom Overlay "JDY-08" at 2530.94,3242.38 h30 r180